# KiCad board TX75v2 PCB replacement.kicad_pcb (continued)
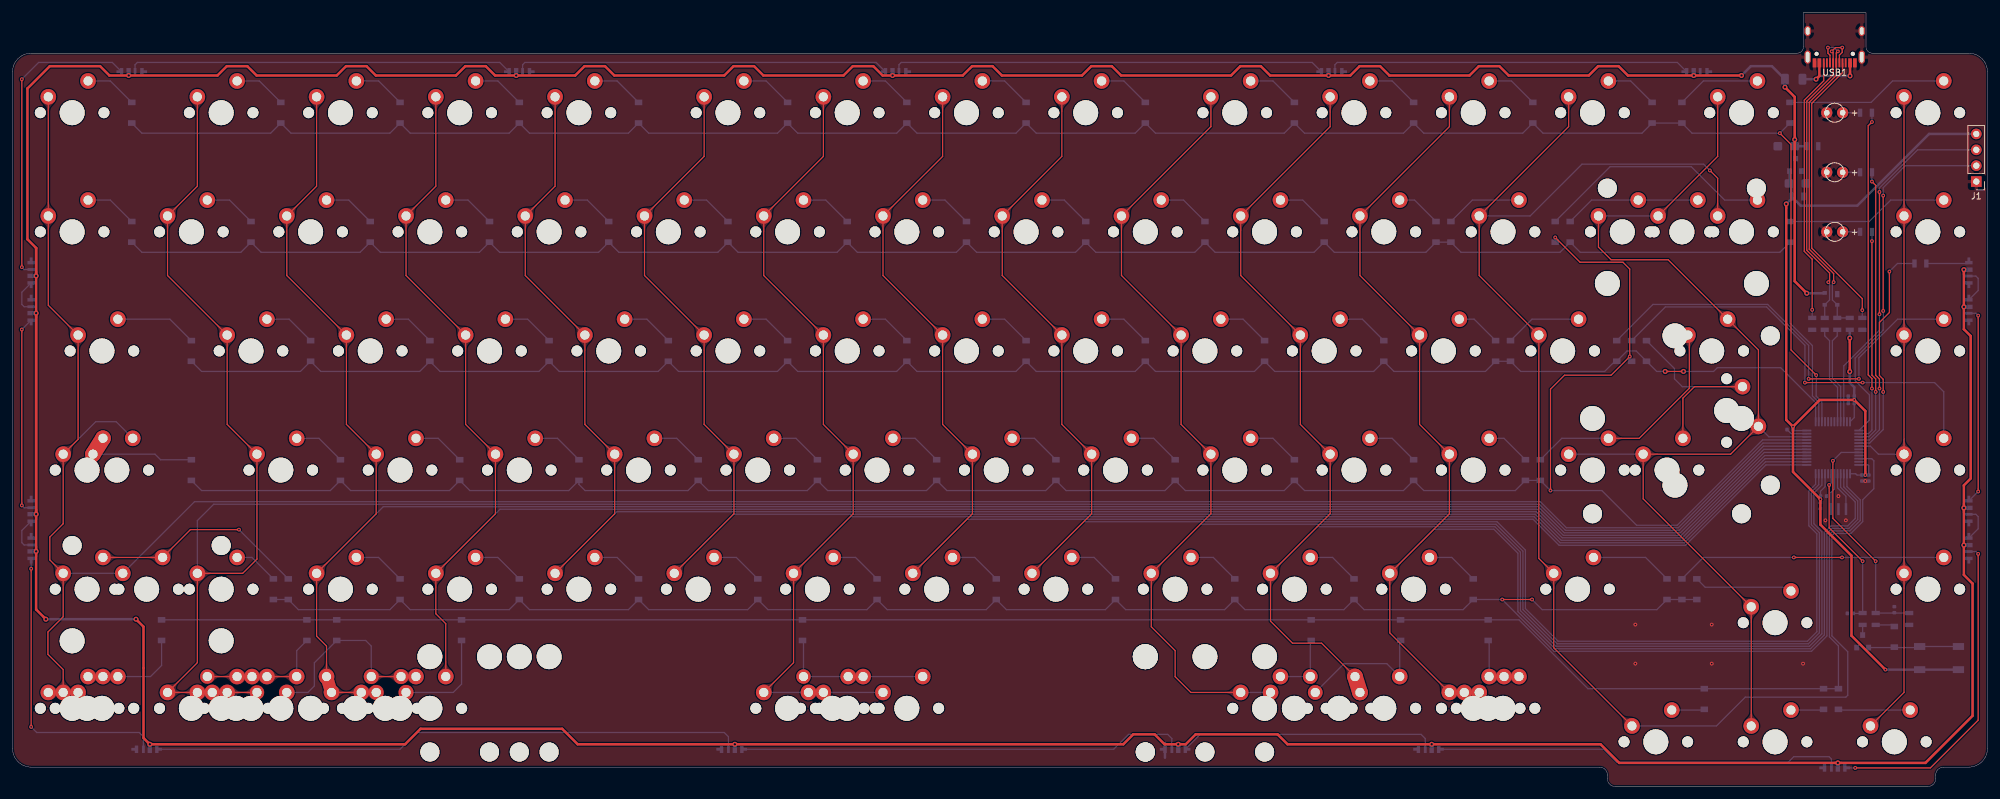
[diagram p0: board, top side]
## Copper pours and planes (outline as drawn; the poured copper is in the pictures) (continued)
Net-(D72-Pad2) on Bottom: 262.2,93.88 262.1,93.88 262,93.89 261.91,93.9 261.82,93.91 261.74,93.93 261.67,93.95 261.59,93.97 261.53,93.99 261.47,94.02 261.41,94.05 261.35,94.08 261.3,94.12 261.25,94.16 261.2,94.19 260.81,94.54 260.75,94.59 260.7,94.64 260.63,94.68 260.57,94.73 260.5,94.77 260.42,94.82 260.35,94.86 260.26,94.91 259.09,93.78 260.26,92.66 260.35,92.7 260.42,92.74 260.5,92.79 260.57,92.83 260.63,92.88 260.7,92.93 260.75,92.97 260.81,93.02 261.2,93.37 261.25,93.41 261.3,93.44 261.35,93.48 261.41,93.51 261.47,93.54 261.53,93.57 261.59,93.59 261.67,93.62 261.74,93.64 261.82,93.65 261.91,93.66 262,93.67 262.1,93.68 262.2,93.68
Net-(D73-Pad2) on Top: 273.89,63.84 274,63.83 274.1,63.83 274.19,63.82 274.28,63.81 274.36,63.79 274.43,63.77 274.5,63.75 274.57,63.72 274.63,63.7 274.69,63.67 274.75,63.63 274.8,63.6 274.85,63.56 274.9,63.52 275.29,63.18 275.35,63.13 275.4,63.08 275.46,63.04 275.53,62.99 275.6,62.94 275.67,62.9 275.75,62.85 275.84,62.81 277.01,63.94 275.84,65.06 275.75,65.02 275.67,64.97 275.6,64.93 275.53,64.88 275.46,64.84 275.4,64.79 275.35,64.74 275.29,64.7 274.9,64.35 274.85,64.31 274.8,64.27 274.75,64.24 274.69,64.21 274.63,64.18 274.57,64.15 274.5,64.12 274.43,64.1 274.36,64.08 274.28,64.07 274.19,64.05 274.1,64.04 274,64.04 273.89,64.04
Net-(D73-Pad2) on Top: 266.76,58.17 266.76,58.07 266.75,57.97 266.74,57.87 266.73,57.79 266.71,57.71 266.69,57.63 266.67,57.56 266.65,57.5 266.62,57.43 266.59,57.37 266.56,57.32 266.52,57.27 266.48,57.22 266.45,57.17 266.1,56.78 266.05,56.72 266,56.66 265.96,56.6 265.91,56.54 265.87,56.47 265.82,56.39 265.78,56.31 265.73,56.23 266.86,55.06 267.98,56.23 267.94,56.31 267.9,56.39 267.85,56.47 267.81,56.54 267.76,56.6 267.71,56.66 267.67,56.72 267.62,56.78 267.27,57.17 267.23,57.22 267.2,57.27 267.16,57.32 267.13,57.37 267.1,57.43 267.07,57.5 267.05,57.56 267.02,57.63 267.01,57.71 266.99,57.79 266.98,57.87 266.97,57.97 266.96,58.07 266.96,58.17
Net-(D73-Pad2) on Bottom: 273.89,63.84 274,63.83 274.1,63.83 274.19,63.82 274.28,63.81 274.36,63.79 274.43,63.77 274.5,63.75 274.57,63.72 274.63,63.7 274.69,63.67 274.75,63.63 274.8,63.6 274.85,63.56 274.9,63.52 275.29,63.18 275.35,63.13 275.4,63.08 275.46,63.04 275.53,62.99 275.6,62.94 275.67,62.9 275.75,62.85 275.84,62.81 277.01,63.94 275.84,65.06 275.75,65.02 275.67,64.97 275.6,64.93 275.53,64.88 275.46,64.84 275.4,64.79 275.35,64.74 275.29,64.7 274.9,64.35 274.85,64.31 274.8,64.27 274.75,64.24 274.69,64.21 274.63,64.18 274.57,64.15 274.5,64.12 274.43,64.1 274.36,64.08 274.28,64.07 274.19,64.05 274.1,64.04 274,64.04 273.89,64.04
Net-(D74-Pad2) on Top: 257.44,55.78 257.34,55.78 257.24,55.79 257.14,55.8 257.06,55.81 256.98,55.83 256.9,55.85 256.83,55.87 256.77,55.89 256.7,55.92 256.65,55.95 256.59,55.98 256.54,56.02 256.49,56.06 256.44,56.09 256.05,56.44 255.99,56.49 255.93,56.54 255.87,56.58 255.81,56.63 255.74,56.67 255.66,56.72 255.58,56.76 255.5,56.81 254.33,55.68 255.5,54.56 255.58,54.6 255.66,54.64 255.74,54.69 255.81,54.73 255.87,54.78 255.93,54.83 255.99,54.87 256.05,54.92 256.44,55.27 256.49,55.31 256.54,55.34 256.59,55.38 256.65,55.41 256.7,55.44 256.77,55.47 256.83,55.49 256.9,55.52 256.98,55.54 257.06,55.55 257.14,55.56 257.24,55.57 257.34,55.58 257.44,55.58
Net-(D74-Pad2) on Top: 267.98,69.71 267.98,69.82 267.99,69.93 268,70.03 268.01,70.12 268.03,70.2 268.05,70.29 268.07,70.36 268.09,70.43 268.12,70.5 268.15,70.56 268.18,70.62 268.21,70.68 268.25,70.74 268.55,71.18 268.59,71.24 268.63,71.3 268.66,71.37 268.7,71.44 268.73,71.51 268.77,71.59 268.8,71.68 268.83,71.77 268.86,71.86 267.54,72.81 266.65,71.45 266.7,71.38 266.76,71.31 266.81,71.25 266.87,71.19 266.92,71.13 266.98,71.08 267.42,70.69 267.46,70.65 267.5,70.6 267.54,70.56 267.58,70.51 267.61,70.46 267.64,70.4 267.67,70.35 267.69,70.29 267.72,70.22 267.74,70.15 267.75,70.07 267.77,69.99 267.78,69.91 267.78,69.81 267.78,69.71
Net-(D74-Pad2) on Bottom: 252.46,55.58 252.57,55.58 252.67,55.57 252.76,55.56 252.85,55.55 252.93,55.54 253,55.52 253.07,55.49 253.14,55.47 253.2,55.44 253.26,55.41 253.32,55.38 253.37,55.34 253.42,55.31 253.47,55.27 253.86,54.92 253.91,54.87 253.97,54.83 254.03,54.78 254.1,54.73 254.17,54.69 254.24,54.64 254.32,54.6 254.41,54.56 255.58,55.68 254.41,56.81 254.32,56.76 254.24,56.72 254.17,56.67 254.1,56.63 254.03,56.58 253.97,56.54 253.91,56.49 253.86,56.44 253.47,56.09 253.42,56.06 253.37,56.02 253.32,55.98 253.26,55.95 253.2,55.92 253.14,55.89 253.07,55.87 253,55.85 252.93,55.83 252.85,55.81 252.76,55.8 252.67,55.79 252.57,55.78 252.46,55.78
Net-(D75-Pad2) on Bottom: 281.77,31.77 281.86,31.77 281.94,31.76 282.01,31.75 282.08,31.74 282.15,31.72 282.21,31.7 282.27,31.68 282.32,31.66 282.37,31.63 282.41,31.6 282.46,31.56 282.5,31.53 282.53,31.49 282.57,31.45 282.6,31.4 282.63,31.36 282.98,30.74 283.02,30.67 283.06,30.61 283.11,30.54 284.67,30.98 284.12,32.52 284.02,32.52 283.92,32.52 283.83,32.51 283.74,32.5 283.66,32.48 283.58,32.47 283.51,32.45 283.44,32.43 283.37,32.4 283.3,32.38 282.74,32.14 282.68,32.11 282.61,32.09 282.53,32.07 282.46,32.05 282.37,32.03 282.29,32.01 282.2,32 282.1,31.98 281.99,31.98 281.88,31.97 281.77,31.97
Net-(D86-Pad2) on Bottom: 294.17,107.85 294.09,107.85 294.02,107.86 293.96,107.86 293.89,107.87 293.84,107.88 293.78,107.9 293.73,107.91 293.68,107.93 293.64,107.95 293.6,107.97 292.99,108.44 292.94,108.47 292.89,108.5 292.83,108.53 292.77,108.56 291.93,107.75 292.77,106.94 292.83,106.97 292.89,107 292.94,107.04 292.99,107.07 293.6,107.53 293.64,107.56 293.68,107.57 293.73,107.59 293.78,107.61 293.84,107.62 293.89,107.63 293.96,107.64 294.02,107.65 294.09,107.65 294.17,107.65
Net-(D87-Pad2) on Bottom: 294.17,98.33 294.09,98.33 294.02,98.33 293.96,98.34 293.89,98.35 293.84,98.36 293.78,98.37 293.73,98.39 293.68,98.4 293.64,98.42 293.6,98.44 292.99,98.91 292.94,98.94 292.89,98.97 292.83,99.01 292.77,99.04 291.93,98.23 292.77,97.42 292.83,97.45 292.89,97.48 292.94,97.51 292.99,97.54 293.6,98.01 293.64,98.03 293.68,98.05 293.73,98.07 293.78,98.08 293.84,98.1 293.89,98.11 293.96,98.11 294.02,98.12 294.09,98.13 294.17,98.13
Net-(D88-Pad2) on Bottom: 294.17,88.8 294.09,88.8 294.02,88.81 293.96,88.81 293.89,88.82 293.84,88.83 293.78,88.85 293.73,88.86 293.68,88.88 293.64,88.9 293.6,88.92 292.99,89.39 292.94,89.42 292.89,89.45 292.83,89.48 292.77,89.51 291.93,88.7 292.77,87.89 292.83,87.92 292.89,87.95 292.94,87.99 292.99,88.02 293.6,88.48 293.64,88.51 293.68,88.52 293.73,88.54 293.78,88.56 293.84,88.57 293.89,88.58 293.96,88.59 294.02,88.6 294.09,88.6 294.17,88.6
Net-(D97-Pad2) on Bottom: 306.04,112.73 306.15,112.73 306.25,112.72 306.34,112.71 306.42,112.7 306.51,112.69 306.58,112.67 306.65,112.64 306.72,112.62 306.78,112.59 306.84,112.56 306.89,112.53 306.95,112.49 307,112.46 307.05,112.42 307.44,112.07 307.49,112.02 307.55,111.98 307.61,111.93 307.68,111.88 307.75,111.84 307.82,111.79 307.9,111.75 307.99,111.71 309.16,112.83 307.99,113.96 307.9,113.91 307.82,113.87 307.75,113.82 307.68,113.78 307.61,113.73 307.55,113.69 307.49,113.64 307.44,113.59 307.05,113.24 307,113.21 306.95,113.17 306.89,113.13 306.84,113.1 306.78,113.07 306.72,113.04 306.65,113.02 306.58,113 306.51,112.98 306.42,112.96 306.34,112.95 306.25,112.94 306.15,112.93 306.04,112.93
Net-(D98-Pad2) on Bottom: 306.04,93.68 306.15,93.68 306.25,93.67 306.34,93.66 306.42,93.65 306.51,93.64 306.58,93.62 306.65,93.59 306.72,93.57 306.78,93.54 306.84,93.51 306.89,93.48 306.95,93.44 307,93.41 307.05,93.37 307.44,93.02 307.49,92.97 307.55,92.93 307.61,92.88 307.68,92.83 307.75,92.79 307.82,92.74 307.9,92.7 307.99,92.66 309.16,93.78 307.99,94.91 307.9,94.86 307.82,94.82 307.75,94.77 307.68,94.73 307.61,94.68 307.55,94.64 307.49,94.59 307.44,94.54 307.05,94.19 307,94.16 306.95,94.12 306.89,94.08 306.84,94.05 306.78,94.02 306.72,93.99 306.65,93.97 306.58,93.95 306.51,93.93 306.42,93.91 306.34,93.9 306.25,93.89 306.15,93.88 306.04,93.88
Net-(D99-Pad2) on Bottom: 306.03,74.63 306.14,74.63 306.24,74.62 306.33,74.61 306.42,74.6 306.5,74.59 306.57,74.57 306.64,74.54 306.71,74.52 306.77,74.49 306.83,74.46 306.89,74.43 306.94,74.39 306.99,74.36 307.04,74.32 307.43,73.97 307.49,73.92 307.55,73.88 307.61,73.83 307.68,73.79 307.75,73.74 307.82,73.69 307.9,73.65 307.99,73.61 309.16,74.73 307.99,75.86 307.9,75.81 307.82,75.77 307.75,75.72 307.68,75.68 307.61,75.63 307.55,75.59 307.49,75.54 307.43,75.49 307.04,75.14 306.99,75.11 306.94,75.07 306.89,75.03 306.83,75 306.77,74.97 306.71,74.94 306.64,74.92 306.57,74.9 306.5,74.88 306.42,74.86 306.33,74.85 306.24,74.84 306.14,74.83 306.03,74.83
Net-(D100-Pad2) on Bottom: 308.43,58.17 308.43,58.07 308.42,57.97 308.41,57.87 308.4,57.79 308.38,57.71 308.37,57.63 308.34,57.56 308.32,57.5 308.29,57.43 308.26,57.37 308.23,57.32 308.19,57.27 308.16,57.22 308.12,57.17 307.77,56.78 307.72,56.72 307.68,56.66 307.63,56.6 307.58,56.54 307.54,56.47 307.49,56.39 307.45,56.31 307.41,56.23 308.53,55.06 309.66,56.23 309.61,56.31 309.57,56.39 309.52,56.47 309.48,56.54 309.43,56.6 309.39,56.66 309.34,56.72 309.29,56.78 308.94,57.17 308.9,57.22 308.87,57.27 308.83,57.32 308.8,57.37 308.77,57.43 308.74,57.5 308.72,57.56 308.7,57.63 308.68,57.71 308.66,57.79 308.65,57.87 308.64,57.97 308.63,58.07 308.63,58.17
Net-(D101-Pad2) on Bottom: 306.04,36.53 306.15,36.53 306.25,36.52 306.34,36.51 306.42,36.5 306.51,36.49 306.58,36.47 306.65,36.44 306.72,36.42 306.78,36.39 306.84,36.36 306.89,36.33 306.95,36.29 307,36.26 307.05,36.22 307.44,35.87 307.49,35.82 307.55,35.78 307.61,35.73 307.68,35.68 307.75,35.64 307.82,35.59 307.9,35.55 307.99,35.51 309.16,36.63 307.99,37.76 307.9,37.71 307.82,37.67 307.75,37.62 307.68,37.58 307.61,37.53 307.55,37.49 307.49,37.44 307.44,37.39 307.05,37.04 307,37.01 306.95,36.97 306.89,36.93 306.84,36.9 306.78,36.87 306.72,36.84 306.65,36.82 306.58,36.8 306.51,36.78 306.42,36.76 306.34,36.75 306.25,36.74 306.15,36.73 306.04,36.73
Net-(D102-Pad2) on Bottom: 207.23,19.93 207.23,19.83 207.22,19.73 207.21,19.65 207.2,19.57 207.19,19.49 207.17,19.42 207.15,19.35 207.12,19.29 207.1,19.23 207.07,19.18 207.04,19.12 207.01,19.07 206.97,19.03 206.94,18.98 206.57,18.56 206.52,18.5 206.48,18.45 206.44,18.38 206.39,18.32 206.35,18.25 206.31,18.17 206.27,18.09 207.33,16.99 208.39,18.09 208.34,18.17 208.3,18.25 208.26,18.32 208.22,18.38 208.18,18.45 208.13,18.5 208.09,18.56 207.72,18.98 207.68,19.03 207.65,19.07 207.62,19.12 207.59,19.18 207.56,19.23 207.53,19.29 207.51,19.35 207.49,19.42 207.47,19.49 207.46,19.57 207.44,19.65 207.44,19.73 207.43,19.83 207.43,19.93
Net-(D102-Pad2) on Bottom: 205.06,17.68 204.95,17.68 204.85,17.69 204.76,17.7 204.67,17.71 204.59,17.73 204.52,17.75 204.44,17.77 204.38,17.79 204.32,17.82 204.26,17.85 204.2,17.88 204.15,17.92 204.1,17.96 204.05,17.99 203.66,18.34 203.6,18.39 203.55,18.44 203.48,18.48 203.42,18.53 203.35,18.57 203.27,18.62 203.2,18.66 203.11,18.71 201.94,17.58 203.11,16.46 203.2,16.5 203.27,16.54 203.35,16.59 203.42,16.63 203.48,16.68 203.55,16.73 203.6,16.77 203.66,16.82 204.05,17.17 204.1,17.21 204.15,17.24 204.2,17.28 204.26,17.31 204.32,17.34 204.38,17.37 204.44,17.39 204.52,17.42 204.59,17.44 204.67,17.45 204.76,17.46 204.85,17.47 204.95,17.48 205.06,17.48
Net-(D102-Pad2) on Bottom: 204.98,17.48 205.08,17.48 205.18,17.47 205.26,17.47 205.34,17.45 205.42,17.44 205.49,17.42 205.56,17.4 205.62,17.38 205.68,17.35 205.73,17.32 205.79,17.29 205.84,17.26 205.88,17.23 205.93,17.19 206.35,16.82 206.41,16.78 206.46,16.73 206.53,16.69 206.59,16.65 206.66,16.61 206.74,16.56 206.82,16.52 207.92,17.58 206.82,18.64 206.74,18.6 206.66,18.56 206.59,18.51 206.53,18.47 206.46,18.43 206.41,18.39 206.35,18.34 205.93,17.97 205.88,17.94 205.84,17.9 205.79,17.87 205.73,17.84 205.68,17.81 205.62,17.79 205.56,17.76 205.49,17.74 205.42,17.72 205.34,17.71 205.26,17.7 205.18,17.69 205.08,17.68 204.98,17.68
Net-(D103-Pad2) on Bottom: 221.52,20.07 221.51,19.97 221.51,19.87 221.5,19.77 221.48,19.69 221.47,19.61 221.45,19.53 221.43,19.46 221.4,19.4 221.37,19.33 221.34,19.27 221.31,19.22 221.28,19.17 221.24,19.12 221.2,19.07 220.85,18.68 220.81,18.62 220.76,18.56 220.71,18.5 220.67,18.44 220.62,18.37 220.58,18.29 220.53,18.21 220.49,18.13 221.62,16.96 222.74,18.13 222.7,18.21 222.65,18.29 222.61,18.37 222.56,18.44 222.52,18.5 222.47,18.56 222.42,18.62 222.38,18.68 222.03,19.07 221.99,19.12 221.95,19.17 221.92,19.22 221.89,19.27 221.86,19.33 221.83,19.4 221.8,19.46 221.78,19.53 221.76,19.61 221.75,19.69 221.73,19.77 221.72,19.87 221.72,19.97 221.72,20.07
Net-(D103-Pad2) on Bottom: 219.78,19.27 219.86,19.2 219.92,19.12 219.98,19.05 220.03,18.98 220.08,18.91 220.12,18.84 220.15,18.78 220.18,18.71 220.21,18.65 220.23,18.59 220.24,18.53 220.26,18.46 220.27,18.4 220.27,18.34 220.3,17.82 220.31,17.74 220.32,17.67 220.33,17.59 220.34,17.52 220.36,17.43 220.38,17.35 220.4,17.26 220.43,17.17 222.06,17.14 222.03,18.76 221.93,18.79 221.85,18.82 221.76,18.84 221.68,18.85 221.6,18.87 221.53,18.88 221.45,18.89 221.38,18.89 220.86,18.92 220.8,18.93 220.73,18.94 220.67,18.95 220.61,18.97 220.55,18.99 220.48,19.01 220.42,19.04 220.35,19.08 220.29,19.12 220.22,19.16 220.15,19.21 220.08,19.27 220,19.34 219.93,19.41
Net-(D103-Pad2) on Bottom: 209.71,16.77 209.64,16.7 209.57,16.64 209.5,16.58 209.43,16.53 209.37,16.49 209.31,16.45 209.24,16.42 209.18,16.39 209.12,16.37 209.07,16.35 209.01,16.34 208.95,16.32 208.89,16.31 208.83,16.31 208.27,16.27 208.2,16.26 208.13,16.25 208.06,16.24 207.98,16.22 207.9,16.2 207.82,16.18 207.74,16.15 207.71,14.63 209.23,14.66 209.26,14.74 209.28,14.82 209.3,14.9 209.32,14.98 209.33,15.05 209.34,15.13 209.35,15.19 209.39,15.75 209.39,15.81 209.4,15.87 209.42,15.93 209.43,15.99 209.45,16.04 209.47,16.1 209.5,16.17 209.53,16.23 209.57,16.29 209.61,16.35 209.66,16.42 209.72,16.49 209.78,16.56 209.85,16.63
Net-(D104-Pad2) on Top: 238.18,17.38 238.28,17.38 238.38,17.38 238.47,17.37 238.55,17.36 238.63,17.34 238.71,17.33 238.78,17.31 238.85,17.28 238.91,17.26 238.97,17.23 239.02,17.21 239.08,17.18 239.13,17.14 239.18,17.11 239.69,16.71 239.75,16.67 239.82,16.63 239.89,16.58 239.96,16.54 240.04,16.5 240.12,16.46 241.29,17.58 240.12,18.71 240.04,18.67 239.96,18.62 239.89,18.58 239.82,18.54 239.75,18.49 239.69,18.45 239.18,18.05 239.13,18.02 239.08,17.99 239.02,17.96 238.97,17.93 238.91,17.9 238.85,17.88 238.78,17.86 238.71,17.84 238.63,17.82 238.55,17.81 238.47,17.8 238.38,17.79 238.28,17.78 238.18,17.78
Net-(D104-Pad2) on Top: 238.39,17.78 238.29,17.78 238.19,17.79 238.1,17.8 238.01,17.81 237.93,17.82 237.86,17.84 237.79,17.86 237.72,17.88 237.66,17.9 237.6,17.93 237.54,17.96 237.49,17.99 237.44,18.02 237.39,18.05 236.87,18.45 236.81,18.49 236.75,18.54 236.68,18.58 236.61,18.62 236.53,18.67 236.45,18.71 235.28,17.58 236.45,16.46 236.53,16.5 236.61,16.54 236.68,16.58 236.75,16.63 236.81,16.67 236.87,16.71 237.39,17.11 237.44,17.14 237.49,17.18 237.54,17.21 237.6,17.23 237.66,17.26 237.72,17.28 237.79,17.31 237.86,17.33 237.93,17.34 238.01,17.36 238.1,17.37 238.19,17.38 238.29,17.38 238.39,17.38
Net-(D104-Pad2) on Bottom: 235.8,20.07 235.8,19.97 235.79,19.87 235.79,19.77 235.77,19.69 235.76,19.61 235.74,19.53 235.71,19.46 235.69,19.4 235.66,19.33 235.63,19.27 235.6,19.22 235.56,19.17 235.53,19.12 235.49,19.07 235.14,18.68 235.09,18.62 235.05,18.56 235,18.5 234.96,18.44 234.91,18.37 234.86,18.29 234.82,18.21 234.78,18.13 235.9,16.96 237.03,18.13 236.98,18.21 236.94,18.29 236.9,18.37 236.85,18.44 236.8,18.5 236.76,18.56 236.71,18.62 236.66,18.68 236.32,19.07 236.28,19.12 236.24,19.17 236.21,19.22 236.17,19.27 236.14,19.33 236.12,19.4 236.09,19.46 236.07,19.53 236.05,19.61 236.03,19.69 236.02,19.77 236.01,19.87 236,19.97 236,20.07
Net-(D105-Pad2) on Bottom: 267.56,12.32 267.46,12.33 267.36,12.33 267.27,12.34 267.18,12.35 267.1,12.37 267.02,12.39 266.95,12.41 266.89,12.44 266.82,12.46 266.77,12.49 266.71,12.53 266.66,12.56 266.61,12.6 266.56,12.64 266.17,12.99 266.11,13.03 266.05,13.08 265.99,13.12 265.93,13.17 265.86,13.22 265.78,13.26 265.7,13.31 265.62,13.35 264.45,12.22 265.62,11.1 265.7,11.14 265.78,11.19 265.86,11.23 265.93,11.28 265.99,11.32 266.05,11.37 266.11,11.42 266.17,11.46 266.56,11.81 266.61,11.85 266.66,11.89 266.71,11.92 266.77,11.95 266.82,11.98 266.89,12.01 266.95,12.04 267.02,12.06 267.1,12.08 267.18,12.09 267.27,12.11 267.36,12.12 267.46,12.12 267.56,12.12
Net-(D106-Pad2) on Bottom: 286.61,12.32 286.51,12.33 286.41,12.33 286.32,12.34 286.23,12.35 286.15,12.37 286.07,12.39 286,12.41 285.94,12.44 285.87,12.46 285.82,12.49 285.76,12.53 285.71,12.56 285.66,12.6 285.61,12.64 285.22,12.99 285.16,13.03 285.1,13.08 285.04,13.12 284.98,13.17 284.91,13.22 284.83,13.26 284.75,13.31 284.67,13.35 283.5,12.22 284.67,11.1 284.75,11.14 284.83,11.19 284.91,11.23 284.98,11.28 285.04,11.32 285.1,11.37 285.16,11.42 285.22,11.46 285.61,11.81 285.66,11.85 285.71,11.89 285.76,11.92 285.82,11.95 285.87,11.98 285.94,12.01 286,12.04 286.07,12.06 286.15,12.08 286.23,12.09 286.32,12.11 286.41,12.12 286.51,12.12 286.61,12.12
Net-(D107-Pad2) on Bottom: 300.68,12.12 300.79,12.12 300.89,12.12 300.98,12.11 301.07,12.09 301.15,12.08 301.22,12.06 301.29,12.04 301.36,12.01 301.42,11.98 301.48,11.95 301.54,11.92 301.59,11.89 301.64,11.85 301.69,11.81 302.08,11.46 302.13,11.42 302.19,11.37 302.25,11.32 302.32,11.28 302.39,11.23 302.46,11.19 302.54,11.14 302.63,11.1 303.8,12.22 302.63,13.35 302.54,13.31 302.46,13.26 302.39,13.22 302.32,13.17 302.25,13.12 302.19,13.08 302.13,13.03 302.08,12.99 301.69,12.64 301.64,12.6 301.59,12.56 301.54,12.53 301.48,12.49 301.42,12.46 301.36,12.44 301.29,12.41 301.22,12.39 301.15,12.37 301.07,12.35 300.98,12.34 300.89,12.33 300.79,12.33 300.68,12.32
Net-(D108-Pad2) on Top: 133.52,17.38 133.61,17.38 133.7,17.38 133.78,17.37 133.85,17.36 133.92,17.35 133.99,17.33 134.06,17.32 134.12,17.3 134.18,17.28 134.23,17.26 134.28,17.23 134.33,17.21 134.38,17.18 134.43,17.15 135.07,16.63 135.13,16.59 135.19,16.54 136.51,17.58 135.19,18.62 135.13,18.58 135.07,18.54 134.43,18.01 134.38,17.98 134.33,17.96 134.28,17.93 134.23,17.91 134.18,17.88 134.12,17.86 134.06,17.84 133.99,17.83 133.92,17.81 133.85,17.8 133.78,17.79 133.7,17.79 133.61,17.78 133.52,17.78
Net-(D108-Pad2) on Top: 135.88,17.78 135.79,17.78 135.7,17.79 135.62,17.79 135.55,17.8 135.47,17.81 135.41,17.83 135.34,17.84 135.28,17.86 135.22,17.88 135.17,17.91 135.12,17.93 135.06,17.96 135.02,17.98 134.97,18.01 134.32,18.54 134.27,18.58 134.21,18.62 132.88,17.58 134.21,16.54 134.27,16.59 134.32,16.63 134.97,17.15 135.02,17.18 135.06,17.21 135.12,17.23 135.17,17.26 135.22,17.28 135.28,17.3 135.34,17.32 135.41,17.33 135.47,17.35 135.55,17.36 135.62,17.37 135.7,17.38 135.79,17.38 135.88,17.38
Net-(D108-Pad2) on Bottom: 138.38,17.68 138.27,17.68 138.17,17.69 138.08,17.7 138,17.71 137.92,17.73 137.84,17.75 137.77,17.77 137.7,17.79 137.64,17.82 137.58,17.85 137.53,17.88 137.47,17.92 137.42,17.96 137.37,17.99 136.98,18.34 136.93,18.39 136.87,18.44 136.81,18.48 136.74,18.53 136.67,18.57 136.6,18.62 136.52,18.66 136.43,18.71 135.26,17.58 136.43,16.46 136.52,16.5 136.6,16.54 136.67,16.59 136.74,16.63 136.81,16.68 136.87,16.73 136.93,16.77 136.98,16.82 137.37,17.17 137.42,17.21 137.47,17.24 137.53,17.28 137.58,17.31 137.64,17.34 137.7,17.37 137.77,17.39 137.84,17.42 137.92,17.44 138,17.45 138.08,17.46 138.17,17.47 138.27,17.48 138.38,17.48
Net-(D108-Pad2) on Bottom: 142.92,17.48 143.03,17.48 143.13,17.47 143.22,17.46 143.31,17.45 143.39,17.44 143.46,17.42 143.54,17.39 143.6,17.37 143.66,17.34 143.72,17.31 143.78,17.28 143.83,17.24 143.88,17.21 143.93,17.17 144.32,16.82 144.38,16.77 144.43,16.73 144.5,16.68 144.56,16.63 144.63,16.59 144.71,16.54 144.78,16.5 144.87,16.46 146.04,17.58 144.87,18.71 144.78,18.66 144.71,18.62 144.63,18.57 144.56,18.53 144.5,18.48 144.43,18.44 144.38,18.39 144.32,18.34 143.93,17.99 143.88,17.96 143.83,17.92 143.78,17.88 143.72,17.85 143.66,17.82 143.6,17.79 143.54,17.77 143.46,17.75 143.39,17.73 143.31,17.71 143.22,17.7 143.13,17.69 143.03,17.68 142.92,17.68
Net-(D108-Pad2) on Bottom: 126.26,19.87 126.26,19.77 126.26,19.68 126.25,19.6 126.24,19.52 126.22,19.44 126.21,19.38 126.19,19.31 126.16,19.25 126.14,19.19 126.11,19.14 126.08,19.09 126.05,19.04 126.02,18.99 125.98,18.95 125.62,18.54 125.58,18.48 125.54,18.43 125.49,18.37 125.45,18.3 125.41,18.23 125.37,18.16 125.33,18.08 126.37,17.01 127.4,18.08 127.36,18.16 127.32,18.23 127.28,18.3 127.24,18.37 127.19,18.43 127.15,18.48 127.11,18.54 126.75,18.95 126.71,18.99 126.68,19.04 126.65,19.09 126.62,19.14 126.59,19.19 126.57,19.25 126.54,19.31 126.52,19.38 126.51,19.44 126.49,19.52 126.48,19.6 126.47,19.68 126.47,19.77 126.47,19.87
Net-(D108-Pad2) on Bottom: 131.02,17.48 131.12,17.48 131.22,17.47 131.32,17.46 131.4,17.45 131.48,17.44 131.56,17.42 131.63,17.39 131.69,17.37 131.76,17.34 131.82,17.31 131.87,17.28 131.92,17.24 131.98,17.21 132.02,17.17 132.42,16.82 132.47,16.77 132.53,16.73 132.59,16.68 132.66,16.63 132.72,16.59 132.8,16.54 132.88,16.5 132.96,16.46 134.13,17.58 132.96,18.71 132.88,18.66 132.8,18.62 132.72,18.57 132.66,18.53 132.59,18.48 132.53,18.44 132.47,18.39 132.42,18.34 132.02,17.99 131.98,17.96 131.92,17.92 131.87,17.88 131.82,17.85 131.76,17.82 131.69,17.79 131.63,17.77 131.56,17.75 131.48,17.73 131.4,17.71 131.32,17.7 131.22,17.69 131.12,17.68 131.02,17.68
Net-(D108-Pad2) on Bottom: 128.66,17.68 128.56,17.68 128.47,17.69 128.38,17.7 128.3,17.71 128.23,17.72 128.16,17.74 128.09,17.76 128.03,17.78 127.98,17.81 127.92,17.84 127.87,17.87 127.82,17.9 127.78,17.93 127.73,17.97 127.32,18.33 127.27,18.37 127.21,18.41 127.15,18.45 127.09,18.5 127.02,18.54 126.94,18.58 126.87,18.62 125.79,17.58 126.87,16.55 126.94,16.59 127.02,16.63 127.09,16.67 127.15,16.71 127.21,16.75 127.27,16.79 127.32,16.84 127.73,17.2 127.78,17.23 127.82,17.27 127.87,17.3 127.92,17.33 127.98,17.35 128.03,17.38 128.09,17.4 128.16,17.42 128.23,17.44 128.3,17.45 128.38,17.47 128.47,17.47 128.56,17.48 128.66,17.48

Small or netless copper shapes (teardrops, artwork), in the pictures only: 93 on Top, 83 on Bottom

## Text on the board
B.Mask: SawnsProjects / "mogu mogu" / TX75v2 PCB Replacement / Powered by VIA & QMK
